# Altium PCB Shining Pig.PcbDoc
Units mil, origin at the board's own origin, x right, y up, seen from the top; angles counter-clockwise.
Board outline 2325 x 3625 mil, 2 copper layers (Top Layer, Bottom Layer); 60 components, 38 nets, 153 pads, 178 vias.
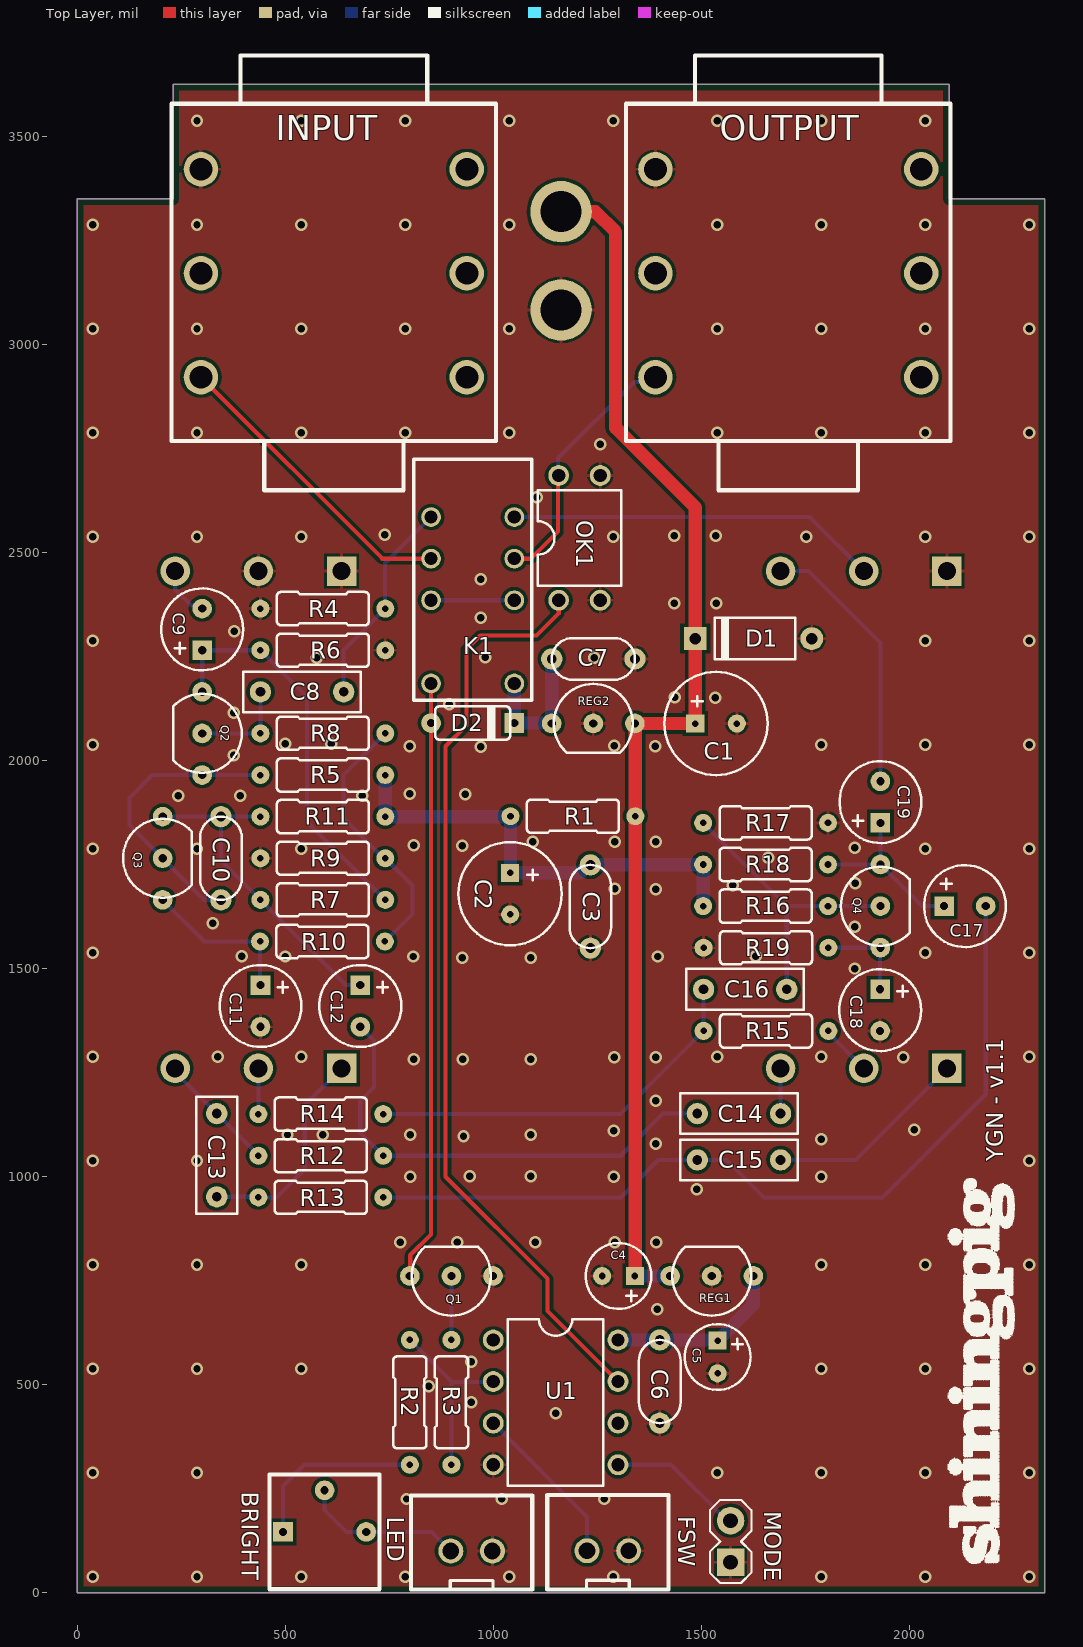
[diagram p0: Top Layer view]
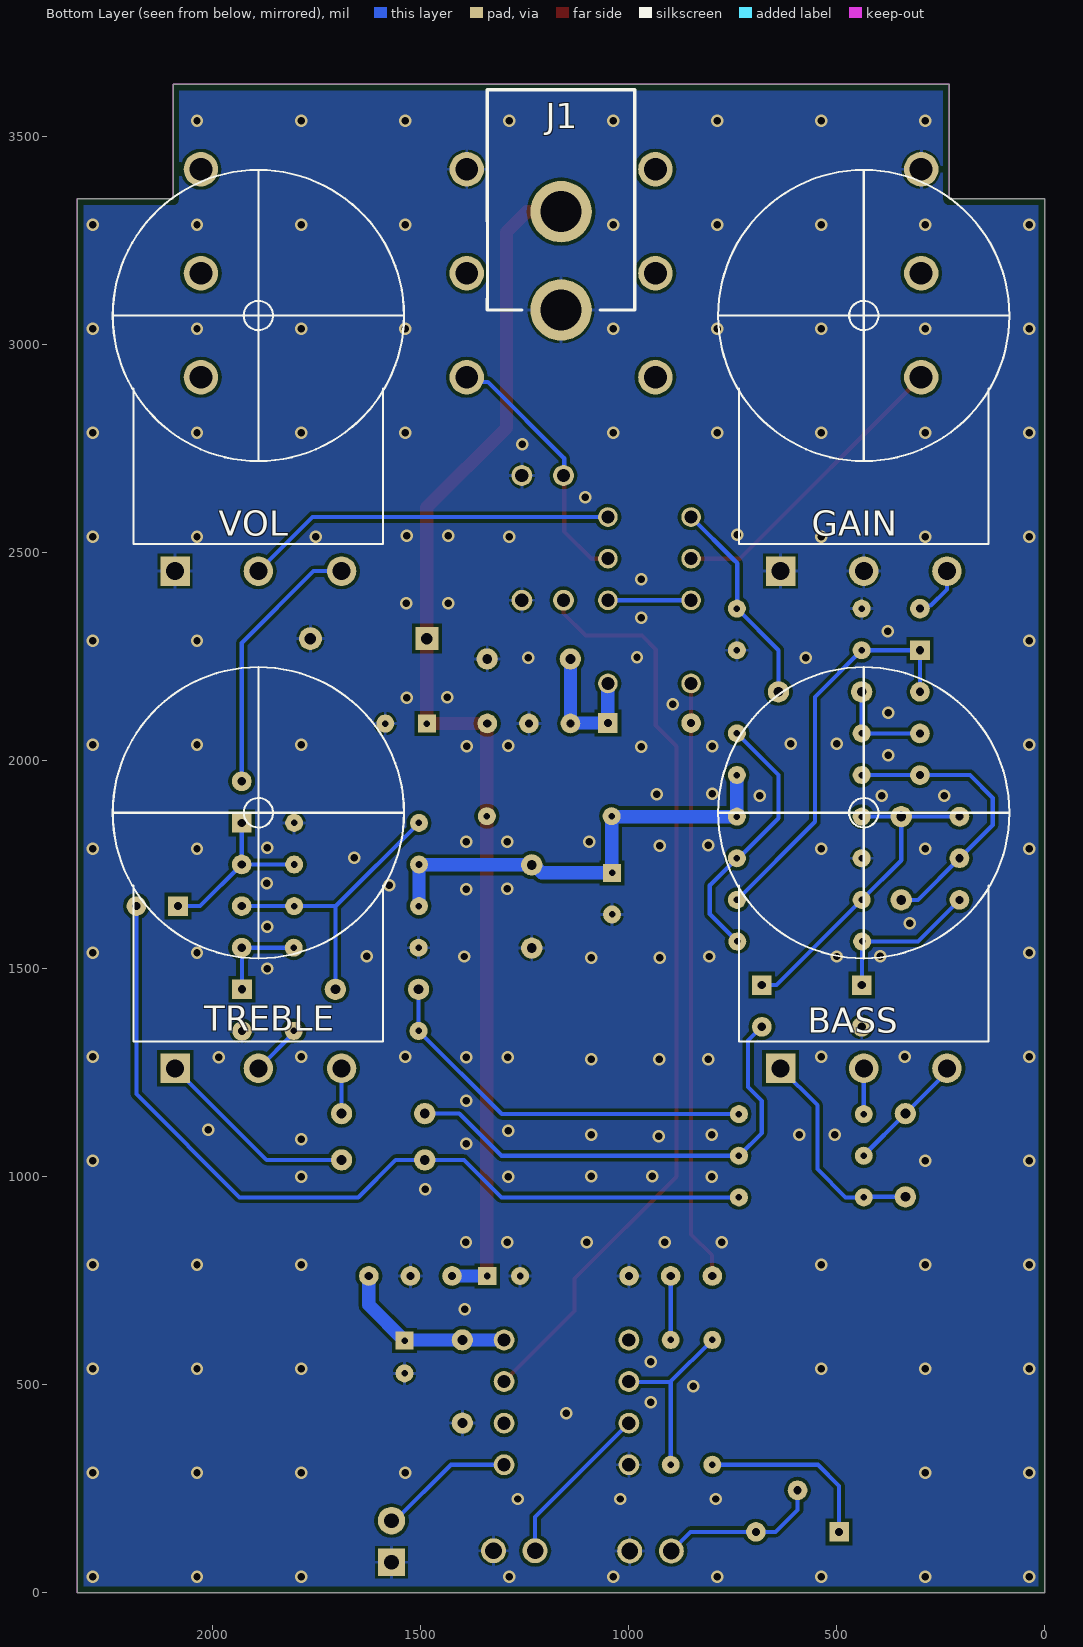
[diagram p1: Bottom Layer view, seen from below]
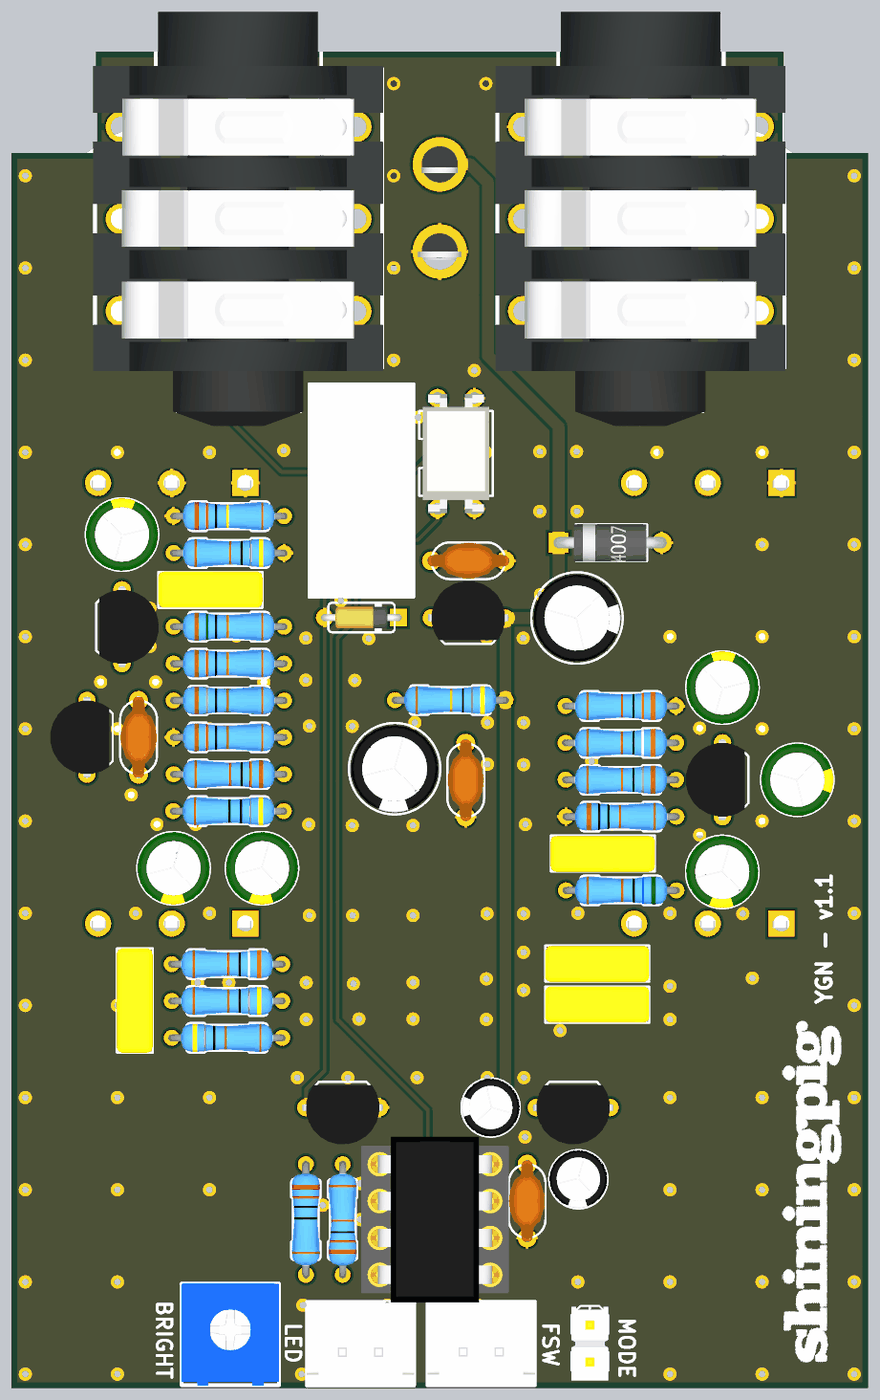
[diagram p2: 3D render of the assembled board from above, using the file's embedded part models]
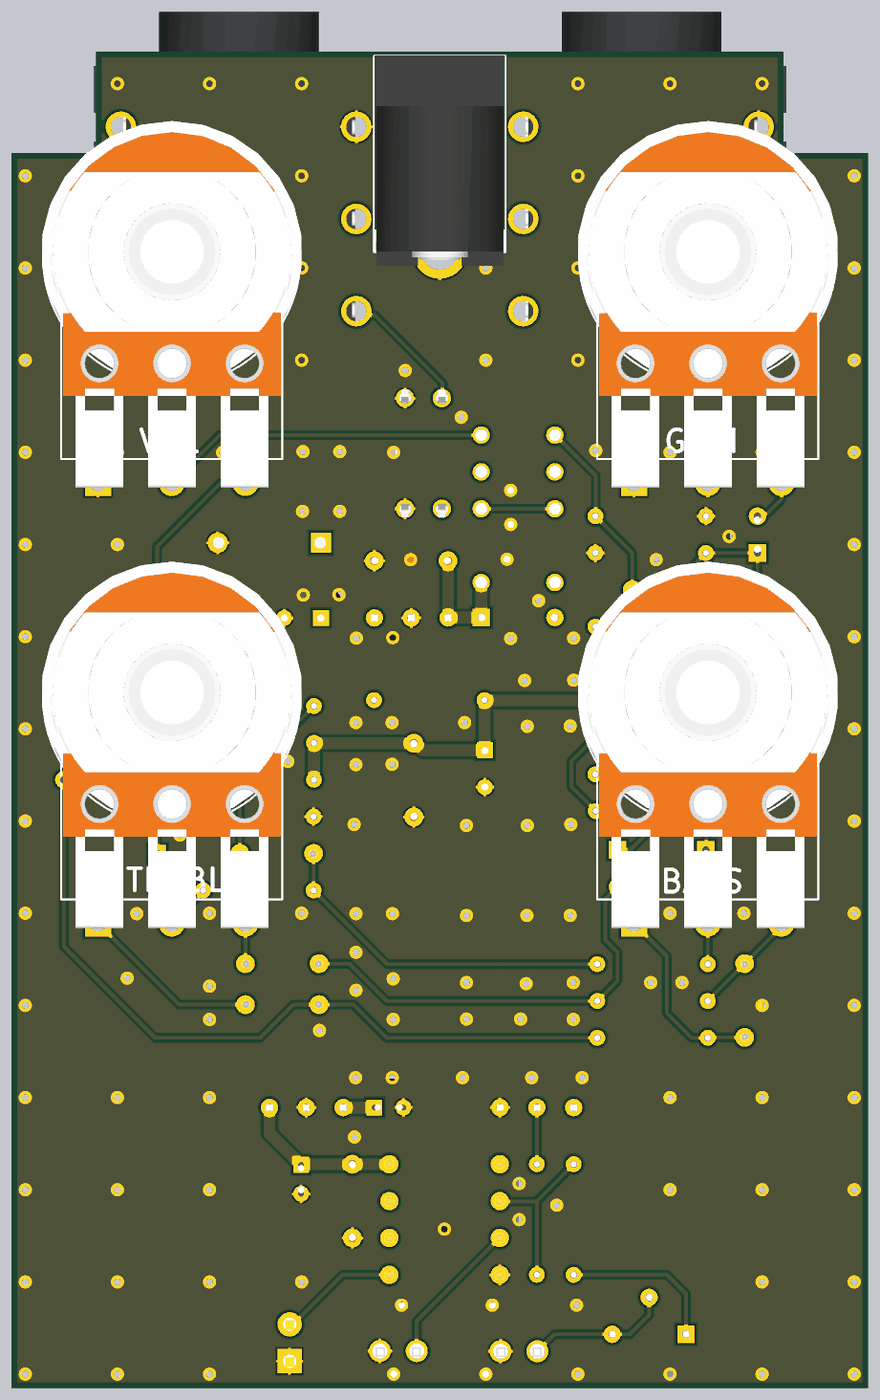
[diagram p3: 3D render of the assembled board from below, using the file's embedded part models]

## Layer stack, top to bottom
Top Solder: solder mask 0.4, Solder Resist, Dk 3.5
Top Layer: signal copper 1.4
Dielectric 1: dielectric 12.6, FR-4, Dk 4.8
Bottom Layer: signal copper 1.4
Bottom Solder: solder mask 0.4, Solder Resist, Dk 3.5

## Board outline
2095,3625 2095,3350 2325,3350 2325,0 0,0 0,3350 230,3350 230,3625

## Design rules (kind name [scope] priority, off if disabled: settings)
BoardOutlineClearance BottomOverlay [OnLayer('Bottom Overlay')] p1: gap=0 ignorepadtopadclearanceinfootprint=FALSE
BoardOutlineClearance TopOverlay [OnLayer('Top Overlay')] p2: gap=0 ignorepadtopadclearanceinfootprint=FALSE
BoardOutlineClearance [All] p3: gap=15 ignorepadtopadclearanceinfootprint=FALSE
Clearance [All] p1: gap=8 ignorepadtopadclearanceinfootprint=FALSE except(0: Arc-Text Arc-Hole Track-Text Track-Hole SMDPad-Text SMDPad-Hole THPad-Text THPad-Hole Via-Text Via-Hole Fill-Text Fill-Hole Poly-Text Poly-Hole Region-Text Region-Hole Text-Text Text-Hole)
ComponentClearance [All] p1 off: gap=1 collisioncheckmode=3 verticalgap=1 showdistances=FALSE
DiffPairsRouting [All] p1: maxlimit=393.7 minlimit=6 mostfreqgap=8 toplayer_minwidth=6 toplayer_maxwidth=15 toplayer_prefwidth=8 bottomlayer_minwidth=6 bottomlayer_maxwidth=15 bottomlayer_prefwidth=8 maxuncoupledlength=500
Height [All] p1 off: minheight=0 maxheight=1000 prefheight=500
HoleSize [All] p1: absolutevalues=TRUE maxlimit=265 minlimit=13 maxpercent=80.000 minpercent=20.000
HoleToHoleClearance [All] p1: gap=10 allowstackedmicrovias=FALSE
MinimumAnnularRing [All] p1: minimumring=6
MinimumSolderMaskSliver [All] p1: minsoldermaskwidth=0
PlaneClearance [All] p1: clearance=10
PlaneConnect [All] p1: planeconnectstyle=Direct reliefexpansion=16 reliefentries=4 reliefconductorwidth=6 reliefairgap=6
PolygonConnect Vias [All vs IsVia] p1: connectstyle=Direct reliefconductorwidth=10 reliefentries=4 polygonreliefangle="90 Angle" airgapwidth=10
PolygonConnect [All] p2: connectstyle=Relief reliefconductorwidth=8 reliefentries=4 polygonreliefangle="90 Angle" airgapwidth=6
RoutingCorners [All] p1: cornerstyle=45-Degree minsetback=49.21 maxsetback=49.21
RoutingVias [All] p1: holewidth=15 width=30 viastyle="Through Hole" minholewidth=13 minwidth=27 maxholewidth=100 maxwidth=114
SilkToSilkClearance [All] p1 off: silktosilkclearance=0
SilkToSolderMaskClearance [IsPad] p1 off: minsilkscreentomaskgap=6 clearancetoexposedcopper=TRUE
SolderMaskExpansion [All] p1: expansion=2.95
Width [All] p1: maxlimit=32 minlimit=10 preferedwidth=10
19 further rules are at their usual default settings.

## Components (designator, comment, footprint, x,y, rotation, side; value= is the part's Value field where it differs from the comment)
BASS "100kB" ALPHA_16mm_BOTTOM 435,1259.37 r180 bottom
BRIGHT "10kB" BOURNS_3362P 594,146 r0 top
C1 "100u" ELEC_063_025 1535,2088.75 r0 top
C2 "100u" ELEC_063_025 1040,1679.9 r270 top
C3 "100n" CER_050 1232.92,1649.02 r270 top
C4 "10u" ELEC_040_020 1301.09,761 r180 top
C5 "10u" ELEC_040_020 1538.73,566.89 r270 top
C6 "100n" CER_050 1399.66,507.31 r90 top
C7 "100n" CER_050 1240.11,2244 r0 top
C8 "220n" FILMBOX_SMALL 540,2165 r0 top
C9 "22u" ELEC_LESR_050_020 300,2315 r90 top
C10 "220p" CER_050 345,1765 r270 top
C11 "22u" ELEC_LESR_050_020 440,1410 r270 top
C12 "4.7u" ELEC_LESR_050_020 680,1410 r270 top
C13 "100n" FILMBOX_SMALL 335,1051.27 r90 top
C14 "10n" FILMBOX_SMALL 1590,1151.27 r180 top
C15 "10n" FILMBOX_SMALL 1590,1040 r0 top
C16 "100n" FILMBOX_SMALL 1605,1450 r180 top
C17 "22u" ELEC_LESR_050_020 2133.11,1650 r0 top
C18 "22u" ELEC_LESR_050_020 1929.32,1400 r270 top
C19 "4.7u" ELEC_LESR_050_020 1930,1900 r90 top
D1 "1N4002" DO41_2 1625,2292.85 r0 top
D2 "1N4148" DO35_2 950,2090 r180 top
FSW "J_JST-XH-02" JST-XH-02 1274.97,100.65 r0 top
GAIN "1kC" ALPHA_16mm_BOTTOM 435,2454.37 r180 bottom
INPUT "J_STEREO" STEREO 616.41,3171 r90 top
J1 "J_DC_JACK" DC_JACK 1162.5,3502.15 r0 bottom
K1 "NA5W-K" NA5 950,2435 r90 top
LED "J_JST-XH-02" JST-XH-02 947.52,100 r0 top
MODE "J_HEADER_2PINS" HEADER_2PINS 1570,123 r270 top
OK1 "TLP222G" DIL4 1206.75,2535 r0 top
OUTPUT "J_STEREO" STEREO 1708.6,3171 r90 top
Q1 "2N3904" TO92 899,761 r180 top
Q2 "2N3904" TO92 300,2065 r270 top
Q3 "2N3904" TO92 205,1765 r90 top
Q4 "2N3904" TO92 1930,1650 r90 top
R1 "47R" R_3_47R_025W 1190.95,1866.02 r180 top
R2 "220R" R_3_220R_025W 799,457.31 r270 top
R3 "22k" R_3_22k_025W 899,457.31 r90 top
R4 "2.2M" R_3_2,2M_025W 590,2365 r0 top
R5 "120k" R_3_120k_025W 590,1965 r0 top
R6 "4.7k" R_3_4.7k_025W 590,2265 r180 top
R7 "12k" R_3_12k_025W 590,1665 r180 top
R8 "150k" R_3_150k_025W 590,2065.21 r0 top
R9 "1.2k" R_3_1.2k_025W 590,1765 r0 top
R10 "470R" R_3_470R_025W 589,1565 r180 top
R11 "1.8k" R_3_1.8k_025W 590,1865 r0 top
R12 "4.7k" R_3_4.7k_025W 585,1050 r180 top
R13 "4.7k" R_3_4.7k_025W 585,950 r0 top
R14 "39k" R_3_39k_025W 585,1150 r180 top
R15 "5.6k" R_3_5.6k_025W 1655,1350 r180 top
R16 "180k" R_3_180k_025W 1654.02,1650 r180 top
R17 "33k" R_3_33k_025W 1654.02,1850 r180 top
R18 "3.9k" R_3_3.9k_025W 1654,1750 r180 top
R19 "1k" R_3_1k_025W 1655,1550 r0 top
REG1 "LM78L05" TO92 1524.63,761 r180 top
REG2 "LM78L05" TO92 1239.89,2088.96 r0 top
TREBLE "100kB" ALPHA_16mm_BOTTOM 1890,1259.37 r180 bottom
U1 "ATTINY85" DIP8 1149.46,457.28 r270 top
VOL "100kA" ALPHA_16mm_BOTTOM 1890,2454.37 r180 bottom

## Footprints (in the part's own frame and the unit in brackets; to place one, negate y for a bottom-side part, rotate by r counter-clockwise, add the part's x,y. Pads: shape width x height; smd on the part's side, far side on the other; paste and mask are expansions set on the pad)
ALPHA_16mm_BOTTOM [mil]
  rect 70.87x70.87 hole 43.31: 1(-200,0.63)
  round 70.87 hole 43.31: 2(0,0.63) 3(200,0.63)
  silkscreen extent -350,66 350,965, body extent -354,-12 445,982, height 1067
BOURNS_3362P [mil]
  rect 47.24x47.24 hole 19.69: 1(-99.75,0)
  round 47.24 hole 19.69: 2(0.25,100) 3(100.25,0)
  silkscreen extent -132,-138 132,138, body extent -132,-139 132,138, height 192
CER_050 [mil]
  round 51.18 hole 23.62: 1(-100,0) 2(100,0)
  silkscreen extent -100,-50 100,50, body extent -117,-49 110,66, height 196
DC_JACK [mil]
  round 147.65 hole 98.43: GND(0,183.15) PWR(0,419.37)
  silkscreen extent -177,-110 177,419, body extent -350,-112 177,458, height 433
DIL4 [mil]
  round 50 hole 32: 1(-50,-150) 2(50,-150) 3(50,150) 4(-50,150)
  silkscreen extent -100,-115 100,115, body extent -90,-173 90,173, height 174
DIP8 [mil]
  round 50 hole 32: 1(-150,-150) 2(-50,-150) 3(50,-150) 4(150,-150) 5(150,150) 6(50,150) 7(-50,150) 8(-150,150)
  silkscreen extent -200,-115 200,115, body extent -225,-200 225,200, height 335
DO35_2 [mil]
  round 47.24 hole 19.69: A(100,0)
  rect 47.24x47.24 hole 19.69: C(-100,0)
  silkscreen extent -90,-40 90,40, body extent -108,-30 108,30, height 60
DO41_2 [mil]
  round 55.12 hole 27.56: A(140,0)
  rect 55.12x55.12 hole 27.56: C(-140,0)
  silkscreen extent -94,-50 100,50, body extent -154,-52 154,52, height 112
ELEC_040_020 [mil]
  rect 43.31x43.31 hole 15.75: +(-38.8,0)
  round 43.31 hole 15.75: -(40,0)
  silkscreen extent -78,-79 80,79, body extent -79,-79 79,79, height 277
ELEC_063_025 [mil]
  rect 43.31x43.31 hole 15.75: +(-50,0)
  round 43.31 hole 15.75: -(50,0)
  silkscreen extent -124,-124 124,124, body extent -118,-118 118,118, height 314
ELEC_LESR_050_020 [mil]
  rect 47.24x47.24 hole 19.69: +(-50,0)
  round 47.24 hole 19.69: -(50,0)
  silkscreen extent -98,-98 98,98, body extent -98,-98 98,100, height 434
FILMBOX_SMALL [mil]
  round 51.18 hole 23.62: 1(-100,0) 2(100,0)
  silkscreen extent -141,-49 141,49, body extent -142,-48 142,50, height 256
HEADER_2PINS [mil]
  rect 66x66 hole 35.43: 1(50,0)
  round 66 hole 35.43: 2(-50,0)
  silkscreen extent -100,-50 100,50, body extent -102,-50 102,50, height 330
JST-XH-02 [mil]
  round 60 hole 40: 1(-50,0) 2(50,0)
  silkscreen extent -146,-93 146,134, body extent -146,-95 146,131, height 276
NA5 [mil]
  round 47.25 hole 31.5: 1(-250,-100) 3(-50,-100) 4(50,-100) 5(150,-100) 8(150,100) 9(50,100) 10(-50,100) 12(-250,100)
  silkscreen extent -290,-142 289,142, body extent -291,-144 291,144, height 362
R_3_1.2k_025W [mil]
  round 43.31 hole 15.75: 1(-150,0) 2(150,0)
  silkscreen extent -111,-40 111,40, body extent -160,-38 160,38, height 83
R_3_1.8k_025W [mil]
  round 43.31 hole 15.75: 1(-150,0) 2(150,0)
  silkscreen extent -111,-40 111,40, body extent -160,-38 160,38, height 83
R_3_1k_025W [mil]
  round 43.31 hole 15.75: 1(-150,0) 2(150,0)
  silkscreen extent -111,-40 111,40, body extent -160,-38 160,38, height 83
R_3_2,2M_025W [mil]
  round 43.31 hole 15.75: 1(-150,0) 2(150,0)
  silkscreen extent -111,-40 111,40, body extent -160,-38 160,38, height 83
R_3_3.9k_025W [mil]
  round 43.31 hole 15.75: 1(-150,0) 2(150,0)
  silkscreen extent -111,-40 111,40, body extent -160,-38 160,38, height 83
R_3_4.7k_025W [mil]
  round 43.31 hole 15.75: 1(-150,0) 2(150,0)
  silkscreen extent -111,-40 111,40, body extent -160,-38 160,38, height 83
R_3_5.6k_025W [mil]
  round 43.31 hole 15.75: 1(-150,0) 2(150,0)
  silkscreen extent -111,-40 111,40, body extent -160,-38 160,38, height 83
R_3_12k_025W [mil]
  round 43.31 hole 15.75: 1(-150,0) 2(150,0)
  silkscreen extent -111,-40 111,40, body extent -160,-38 160,38, height 83
R_3_22k_025W [mil]
  round 43.31 hole 15.75: 1(-150,0) 2(150,0)
  silkscreen extent -111,-40 111,40, body extent -160,-38 160,38, height 83
R_3_33k_025W [mil]
  round 43.31 hole 15.75: 1(-150,0) 2(150,0)
  silkscreen extent -111,-40 111,40, body extent -160,-38 160,38, height 83
R_3_39k_025W [mil]
  round 43.31 hole 15.75: 1(-150,0) 2(150,0)
  silkscreen extent -111,-40 111,40, body extent -160,-38 160,38, height 83
R_3_47R_025W [mil]
  round 43.31 hole 15.75: 1(-150,0) 2(150,0)
  silkscreen extent -111,-40 111,40, body extent -160,-38 160,38, height 83
R_3_120k_025W [mil]
  round 43.31 hole 15.75: 1(-150,0) 2(150,0)
  silkscreen extent -111,-40 111,40, body extent -160,-38 160,38, height 83
R_3_150k_025W [mil]
  round 43.31 hole 15.75: 1(-150,0) 2(150,0)
  silkscreen extent -111,-40 111,40, body extent -160,-38 160,38, height 83
R_3_180k_025W [mil]
  round 43.31 hole 15.75: 1(-150,0) 2(150,0)
  silkscreen extent -111,-40 111,40, body extent -160,-38 160,38, height 83
R_3_220R_025W [mil]
  round 43.31 hole 15.75: 1(-150,0) 2(150,0)
  silkscreen extent -111,-40 111,40, body extent -160,-38 160,38, height 83
R_3_470R_025W [mil]
  round 43.31 hole 15.75: 1(-150,0) 2(150,0)
  silkscreen extent -111,-40 111,40, body extent -160,-38 160,38, height 83
STEREO [mil]
  round 82.68 hole 55.12: R(0,319.49) RN(0,-319.49) S(250,319.49) SN(250,-319.49) T(-250,319.49) TN(-250,-319.49)
  silkscreen extent -522,-390 524,390, body extent -562,-392 562,395, height 610
TO92 [mil]
  round 47.24 hole 19.69: 1(100,0) 2(0,0) 3(-100,0)
  silkscreen extent -95,-70 95,95, body extent -109,-61 109,100, height 255

## Part data
BASS TREBLE: library part POT_100kB_ALPHA_16mm, "100k Lin potentiometer round shaft", Package="PCB Mounted", Dimensions=16mm, Price=0.5
BRIGHT: library part TRIM_10kB_3362P, "10k Lin 3362P trimmer", Price=0.1
C1 C2: library part C_ELEC_100u_25V, "100u 25V electrolytic capacitor", Package=Radial, Dimensions=6.3x8mm, PinSpacing=2.54mm, Price=0.02
C3 C6 C7: library part C_CER_100n, "100n MLCC X7R radial capacitor", Package=Radial, PinSpacing=5.08mm, Price=0.02
C4 C5: library part C_ELEC_10u_50V, "10u 50V electrolytic capacitor", Package=Radial, Dimensions=4x8mm, PinSpacing=2mm, Price=0.02
C8: library part C_FILMBOX_220n, "220n 100V polyester film box capacitor", Package=Radial, Dimensions=7.2x2.5x6.5mm, PinSpacing=5.08mm, Price=0.05
C9 C11 C17 C18: library part C_ELEC_LESR_22u_50V, "22u 50V Low ESR ectrolytic capacitor", Package=Radial, Dimensions=5x11mm, PinSpacing=2mm, Price=0.05
C10: library part C_CER_220p, "220p MLCC X7R radial capacitor", Package=Radial, PinSpacing=5.08mm, Price=0.01
C12 C19: library part C_ELEC_LESR_4.7u_50V, "4.7u 50V Low ESR ectrolytic capacitor", Package=Radial, Dimensions=5x11mm, PinSpacing=2mm, Price=0.05
C13 C16: library part C_FILMBOX_100n, "100n 100V polyester film box capacitor", Package=Radial, Dimensions=7.2x2.5x6.5mm, PinSpacing=5.08mm, Price=0.05
C14 C15: library part C_FILMBOX_10n, "10n 100V polyester film box capacitor", Package=Radial, Dimensions=7.2x2.5x6.5mm, PinSpacing=5.08mm, Price=0.05
D1: library part D_1N4002, Package=DO-41, PinSpacing=7.62mm, Price=0.01
D2: library part D_1N4148, Package=DO-35, PinSpacing=5.08mm, Price=0.01
FSW LED: "2 Pins male XH header", Price=0.1
GAIN: library part POT_1kC_ALPHA_16mm, "1k Reverse log potentiometer round shaft", Package="PCB Mounted", Dimensions=16mm, Price=0.5
INPUT OUTPUT: "6.35mm stereo insulated socket jack PCB mounted", Price=0.5
J1: "DC Power jack 2.1mm barrel", Price=0.05
K1: library part K_NA5W-K, Price=1.1
MODE: "2 Pins male header", Pin spacing=2.54mm, Price=0.01
OK1: library part OK_TLP222G, Price=0.36
Q1 Q2 Q3 Q4: library part Q_2N3904, Package=TO-92, Price=0.01
R1: library part R_3_47R_025W, "47R metal film 1/4W Resistor", PinSpacing=7.62mm, Price=0.01
R2: library part R_3_220R_025W, "220R metal film 1/4W Resistor", PinSpacing=7.62mm, Price=0.01
R3: library part R_3_22k_025W, "22k metal film 1/4W Resistor", PinSpacing=7.62mm, Price=0.01
R4: library part R_3_2.2M_025W, "2.2M metal film 1/4W Resistor", PinSpacing=7.62mm, Price=0.01
R5: library part R_3_120k_025W, "120k metal film 1/4W Resistor", PinSpacing=7.62mm, Price=0.01
R6 R12 R13: library part R_3_4.7k_025W, "4.7kk metal film 1/4W Resistor", PinSpacing=7.62mm, Price=0.01
R7: library part R_3_12k_025W, "12k metal film 1/4W Resistor", PinSpacing=7.62mm, Price=0.01
R8: library part R_3_150k_025W, "150k metal film 1/4W Resistor", PinSpacing=7.62mm, Price=0.01
R9: library part R_3_1.2k_025W, "1.2k metal film 1/4W Resistor", PinSpacing=7.62mm, Price=0.01
R10: library part R_3_470R_025W, "470R metal film 1/4W Resistor", PinSpacing=7.62mm, Price=0.01
R11: library part R_3_1.8k_025W, "1.8k metal film 1/4W Resistor", PinSpacing=7.62mm, Price=0.01
R14: library part R_3_39k_025W, "39k metal film 1/4W Resistor", PinSpacing=7.62mm, Price=0.01
R15: library part R_3_5.6k_025W, "5.6k metal film 1/4W Resistor", PinSpacing=7.62mm, Price=0.01
R16: library part R_3_180k_025W, "180k metal film 1/4W Resistor", PinSpacing=7.62mm, Price=0.01
R17: library part R_3_33k_025W, "33k metal film 1/4W Resistor", PinSpacing=7.62mm, Price=0.01
R18: library part R_3_3.9k_025W, "3.9k metal film 1/4W Resistor", PinSpacing=7.62mm, Price=0.01
R19: library part R_3_1k_025W, "1k metal film 1/4W Resistor", PinSpacing=7.62mm, Price=0.01
REG1 REG2: library part REG_LM78L05, "78L05", Package=TO-92, Price=0.01
U1: library part U_ATTINY85, "ATTINY85-20PU", Package=DIP-8, Price=1.2
VOL: library part POT_100kA_ALPHA_16mm, "100k Log potentiometer round shaft", Package="PCB Mounted", Dimensions=16mm, Price=0.5

## Via types
v1: diameter 30, hole 18, Top Layer to Bottom Layer, 178 vias

## Nets (pads, with @x,y where several pads share a name; then routed paths per layer and width w, separated by ;. In a path a pad name is that pad's centre, name@x,y a point inside that pad or via, vN(x,y) a via of type N, cw(c..) or ccw(c..) an arc to the next point about the centre after c; other vN are vias at no path point)
+5V: C5.+ C6.2 REG1.3 U1.8 | length 432.1
  Bottom Layer w32: U1.8 1399.62,607.28 C6.2 ; C6.2@1398.77,608.2 C6.2 ; REG1.3 1624.63,691.59 C5.+ 1537.11,607.31 C6.2
+9V: C1.+ C4.+ D1.C J1.GND R1.1 REG1.1 REG2.1 | length 2979
  Top Layer w32: J1.GND 1244.72,3319 1293.5,3270.22 1293.5,2799.7 1485,2608.2 D1.C C1.+ 1484.79,2088.96 REG2.1 1340.95,2087.9 R1.1 1340.95,762.06 C4.+ ; J1.GND@1162.5,3330 J1.GND@1168.35,3324.15
  Bottom Layer w32: C4.+ REG1.1
GND: C1.- C2.- C3.2 C4.- C5.- C6.1 C7.2 C11.- C18.- D1.A FSW.2 GAIN.1 GAIN.2 INPUT.S J1.PWR LED.2 MODE.1 OK1.2 OK1.3 OUTPUT.S Q1.3 R4.1 R6.1 R9.1 R17.1 R19.1 REG1.2 REG2.2 U1.4 VOL.1 | length 0.4
  Bottom Layer w15: GAIN.2 GAIN.2@435.26,2455.26
  other v1: 37.5,38 287.5,38 537.5,38 787.5,38 1037.5,38 1287.5,38 1787.5,38 2037.5,38 2287.5,38 791,225 1020,225 1266.18,225 37.5,288 287.5,288 1537.5,288 1787.5,288 2037.5,288 2287.5,288 1150,431.27 947,457 845,496 37.5,538 287.5,538 537.5,538 1787.5,538 2037.5,538 2287.5,538 947,555 1394,681 37.5,788 287.5,788 537.5,788 1787.5,788 2037.5,788 2287.5,788 776,842 913,842 1101,842 1291.58,842 1391,842 1489.06,970 800,1000 1289,1000 1787.5,1000 943,1001 1090,1001 37.5,1038 287.5,1038 2287.5,1038 1390,1079 1787.5,1090 928,1097 505,1099.93 590,1099.93 800,1099.93 1090,1099.93 1289,1110 2011,1112 1390,1182 808.44,1282 926,1282 1090,1281.9 1290.85,1286.82 1390,1286.82 1985,1286.82 37.5,1288 337,1288 537.5,1288 1537.5,1288 1787.5,1288 2287.5,1288 1868.1,1500 924.9,1526 1090,1526 395,1529.03 500,1528.85 806.87,1528.85 1395,1528.85 1630,1529.03 37.5,1538 2037.5,1538 2287.5,1538 1868.1,1600 325,1608.75 1390,1690.9 1292,1692 1575,1699.91 1869.51,1705 1660,1766.33 37.5,1788 287.5,1788 537.5,1788 2037.5,1788 2287.5,1788 1868.1,1790 924.9,1794.91 808.44,1795.81 1095,1805 1292,1805 1390,1805 242,1915.07 391.19,1915 685,1915.07 932,1919.37 799,1920 375.87,2012 970,2033.11 799.13,2034.19 1389,2034.19 1290,2035.3 37.5,2038 1787.5,2038 2037.5,2038 2287.5,2038 500,2040 610.66,2040 375.87,2115 894,2135.66 1533,2151 1436,2152 575,2247 1241.69,2247 980,2248 37.5,2288 2037.5,2288 2287.5,2288 377,2310 970,2342.45 1434,2378 1535,2378 970,2435 37.5,2538 287.5,2538 537.5,2538 1287.5,2538 1752,2538 2037.5,2538 2287.5,2538 1433.96,2540 1533.91,2540 739,2543 1104,2633 1256.21,2760 37.5,2788 287.5,2788 537.5,2788 787.5,2788 1037.5,2788 1537.5,2788 1787.5,2788 2037.5,2788 2287.5,2788 37.5,3038 287.5,3038 537.5,3038 787.5,3038 1037.5,3038 1537.5,3038 1787.5,3038 2037.5,3038 2287.5,3038 37.5,3288 287.5,3288 537.5,3288 787.5,3288 1037.5,3288 1537.5,3288 1787.5,3288 2037.5,3288 2287.5,3288 287.5,3538 537.5,3538 787.5,3538 1037.5,3538 1287.5,3538 1537.5,3538 1787.5,3538 2037.5,3538
INPUT: INPUT.T K1.9 | length 740.7
  Top Layer w10: INPUT.T@291.02,2910 INPUT.T@296.02,2905 ; INPUT.T 732.92,2485 K1.9
NetBASS_1: BASS.1 C13.1 R13.1 | length 518.9
  Bottom Layer w10: C13.1 433.73,951.27 R13.1 478.53,950 546.47,1017.95 546.47,1171.47 BASS.1
NetBASS_2: BASS.2 R14.2 | length 110
  Bottom Layer w10: R14.2 BASS.2
NetBASS_3: BASS.3 C13.2 R12.2 | length 295.1
  Bottom Layer w10: BASS.3 235,1251.27 C13.2 435,1051.27 R12.2 ; R12.2@435,1035 R12.2@435,1037.27
NetBRIGHT_1: BRIGHT.1 R2.2 | length 436.2
  Bottom Layer w10: BRIGHT.1 494.25,256.3 545.26,307.31 R2.2 R2.2
NetBRIGHT_2: BRIGHT.2 BRIGHT.3 LED.1 | length 391.4
  Bottom Layer w10: BRIGHT.2 594.25,198.75 647,146 BRIGHT.3 851.52,146 LED.1
NetC7_1: C7.1 D2.C K1.1 REG2.3 | length 337.5
  Bottom Layer w32: K1.1 D2.C 1135.85,2090 REG2.3@1136.89,2088.96 ; REG2.3 1139.89,2243.78 C7.1
NetC8_1: C8.1 Q2.2 R8.1 | length 239.9
  Bottom Layer w10: Q2.2 439.79,2065 R8.1 C8.1
NetC9_+: C9.+ Q2.3 R6.2 R7.1 | length 964.3
  Bottom Layer w10: Q2.3 C9.+ R6.2 552.27,2152.73 552.27,1852.73 R7.1
NetC9_-: C9.- GAIN.3 | length 127.9
  Bottom Layer w10: GAIN.3 235,2411.19 274.06,2372.13 292.87,2372.13 C9.-
NetC10_1: C10.1 C12.+ Q3.1 R7.2 R11.1 | length 799.3
  Bottom Layer w10: Q3.1 C10.1 ; R11.1 C10.1 ; C12.+ 645,1460 R7.2 345,1760 C10.1
NetC10_2: C10.2 Q2.1 Q3.2 R5.1 | length 697.3
  Bottom Layer w10: C10.2 305,1665 Q3.2 125,1845 125,1910 180,1965 Q2.1 R5.1
NetC11_+: C11.+ Q3.3 R10.2 | length 380.8
  Bottom Layer w10: Q3.3 305,1565 R10.2 439,1461 C11.+
NetC12_-: C12.- C14.2 R12.1 | length 1157.1
  Bottom Layer w10: C12.- 713.1,1326.9 713.1,1215 680,1181.9 680,1105 R12.1 1305.9,1050 1407.18,1151.27 C14.2
NetC14_1: C14.1 TREBLE.3 | length 108.7
  Bottom Layer w10: C14.1 TREBLE.3
NetC15_1: C15.1 C17.- R13.2 | length 2077.3
  Bottom Layer w10: R13.2 1305.97,950 1395.97,1040 C15.1 1560,1040 1650,950 1935,950 2183.11,1198.11 C17.-
NetC15_2: C15.2 TREBLE.1 | length 491.1
  Bottom Layer w10: C15.2 1870,1040 TREBLE.1
NetC16_1: C16.1 Q4.2 R16.1 R17.2 | length 717.1
  Bottom Layer w10: R17.2@1511.9,1850 R17.2 1704.02,1650 ; C16.1 1705,1649.02 1704.02,1650 ; Q4.2 R16.1 1704.02,1650
NetC16_2: C16.2 R14.1 R15.2 | length 952.8
  Bottom Layer w10: R14.1 1305,1150 R15.2 C16.2
NetC17_+: C17.+ C19.+ Q4.1 R18.1 | length 420.5
  Bottom Layer w10: R18.1 Q4.1 ; C19.+ Q4.1 ; C17.+ 2030,1650 Q4.1
NetC18_+: C18.+ Q4.3 R19.2 | length 225.3
  Bottom Layer w10: R19.2 Q4.3 1929.32,1549.32 C18.+
NetC19_-: C19.- VOL.3 | length 643.9
  Bottom Layer w10: VOL.3 1757.38,2455 1930,2282.38 C19.-
NetD2_A: D2.A K1.12 Q1.1 | length 1445.1
  Top Layer w10: Q1.1 800,762 800,811 850,861 D2.A K1.12
NetK1_3: K1.3 K1.10 | length 200
  Bottom Layer w10: K1.10 K1.3
NetQ1_2: Q1.2 R3.2 | length 153.7
  Bottom Layer w10: R3.2 Q1.2
NetR8_2: R8.2 R9.2 R10.1 | length 639.7
  Bottom Layer w10: R10.1 805.09,1631.09 805.09,1699.91 R9.2 736.12,1765 640,1861.12 640,1965.21 R8.2
NetR15_1: R15.1 TREBLE.2 | length 125.2
  Bottom Layer w10: R15.1 1805,1345 TREBLE.2
OUTPUT: K1.4 OK1.4 OUTPUT.T | length 626.3
  Top Layer w10: K1.4 1090,2485 1155,2550 1155,2683.25 OK1.4
  Bottom Layer w10: OK1.4 1155,2686.75 1155,2726.42 1338.58,2910 OUTPUT.T@1395.51,2910
PB0: MODE.2 U1.5 | length 326.2
  Bottom Layer w10: U1.5 1426.89,307.28 1561.17,173 MODE.2
PB2: OK1.1 U1.7 | length 2241.1
  Top Layer w10: OK1.1 1156.75,2353.48 1103.27,2300 968.21,2300 935,2266.79 935,2084.19 885,2034.19 885,999.47 1130,754.47 1130,676.74 U1.7
PB3: R2.1 R3.1 U1.2 | length 442.2
  Bottom Layer w10: R2.1 900.31,506 ; R3.1 899,504.69 900.31,506 ; U1.2 998.19,506 900.31,506
PB4: FSW.1 U1.3 | length 400
  Bottom Layer w10: U1.3 1224.97,181.77 FSW.1
RETURN: K1.5 VOL.2 | length 893.8
  Bottom Layer w10: K1.5 1760,2585 VOL.2
SEND: C8.2 K1.8 R4.2 | length 507.9
  Bottom Layer w10: C8.2 640,2265 R4.2 739,2366 739,2474.14 744.86,2480 745,2480 K1.8
Vr: C2.+ C3.1 R1.2 R5.2 R11.2 R16.2 R18.2 | length 1110.2
  Bottom Layer w32: R5.2 R11.2 1039.93,1865 R1.2 1040.95,1730.85 C2.+ 1208.61,1729.9 1227.73,1749.02 C3.1 1503.02,1749.02 R18.2 R16.2
pads on no net: INPUT.R INPUT.RN INPUT.SN INPUT.TN OUTPUT.R OUTPUT.RN OUTPUT.SN OUTPUT.TN U1.1 U1.6

## Polygon pours and split planes (outlines as drawn)
GND on Top Layer "GND_L01_P010" (solid, pour order 10): 0,0 2325,0 2325,3350 2095,3350 2095,3625 230,3625 230,3350 0,3350
GND on Bottom Layer "GND_L02_P008" (solid, pour order 8): 0,0 2325,0 2325,3345 2330,3350 2095,3350 2095,3625 230,3625 230,3350 0,3350

## Keep-outs
Keep-Out Layer:
  lines w1: 0,0 341.25,0 1503.75,0 1709.06,0 1811.72,0 2017.03,0 2119.69,0 2325,0 2325,3350 2095,3350 2095,3625 230,3625 230,3350 0,3350 0,0

## Silkscreen, mask and mechanical layers (free items; w line width, h text height)
Top Overlay:
  drawing of 4 lines, arcs and shapes, not listed
  text "YGN - v1.1" at 2225,1036.75 h40 r90
Mechanical 3:
  the board outline again, w1